# Altium PCB SmartHaloFF.PcbDoc (part 1 of 4)
Units mm, origin at the board's own origin, x right, y up, seen from the top; angles counter-clockwise.
Board outline 76.77 x 65.15 mm, 4 copper layers (Top Layer, Ground Plane, Power Plane, Bottom Layer), stack 1.516 mm thick; 370 components, 183 nets, 935 pads, 579 vias.
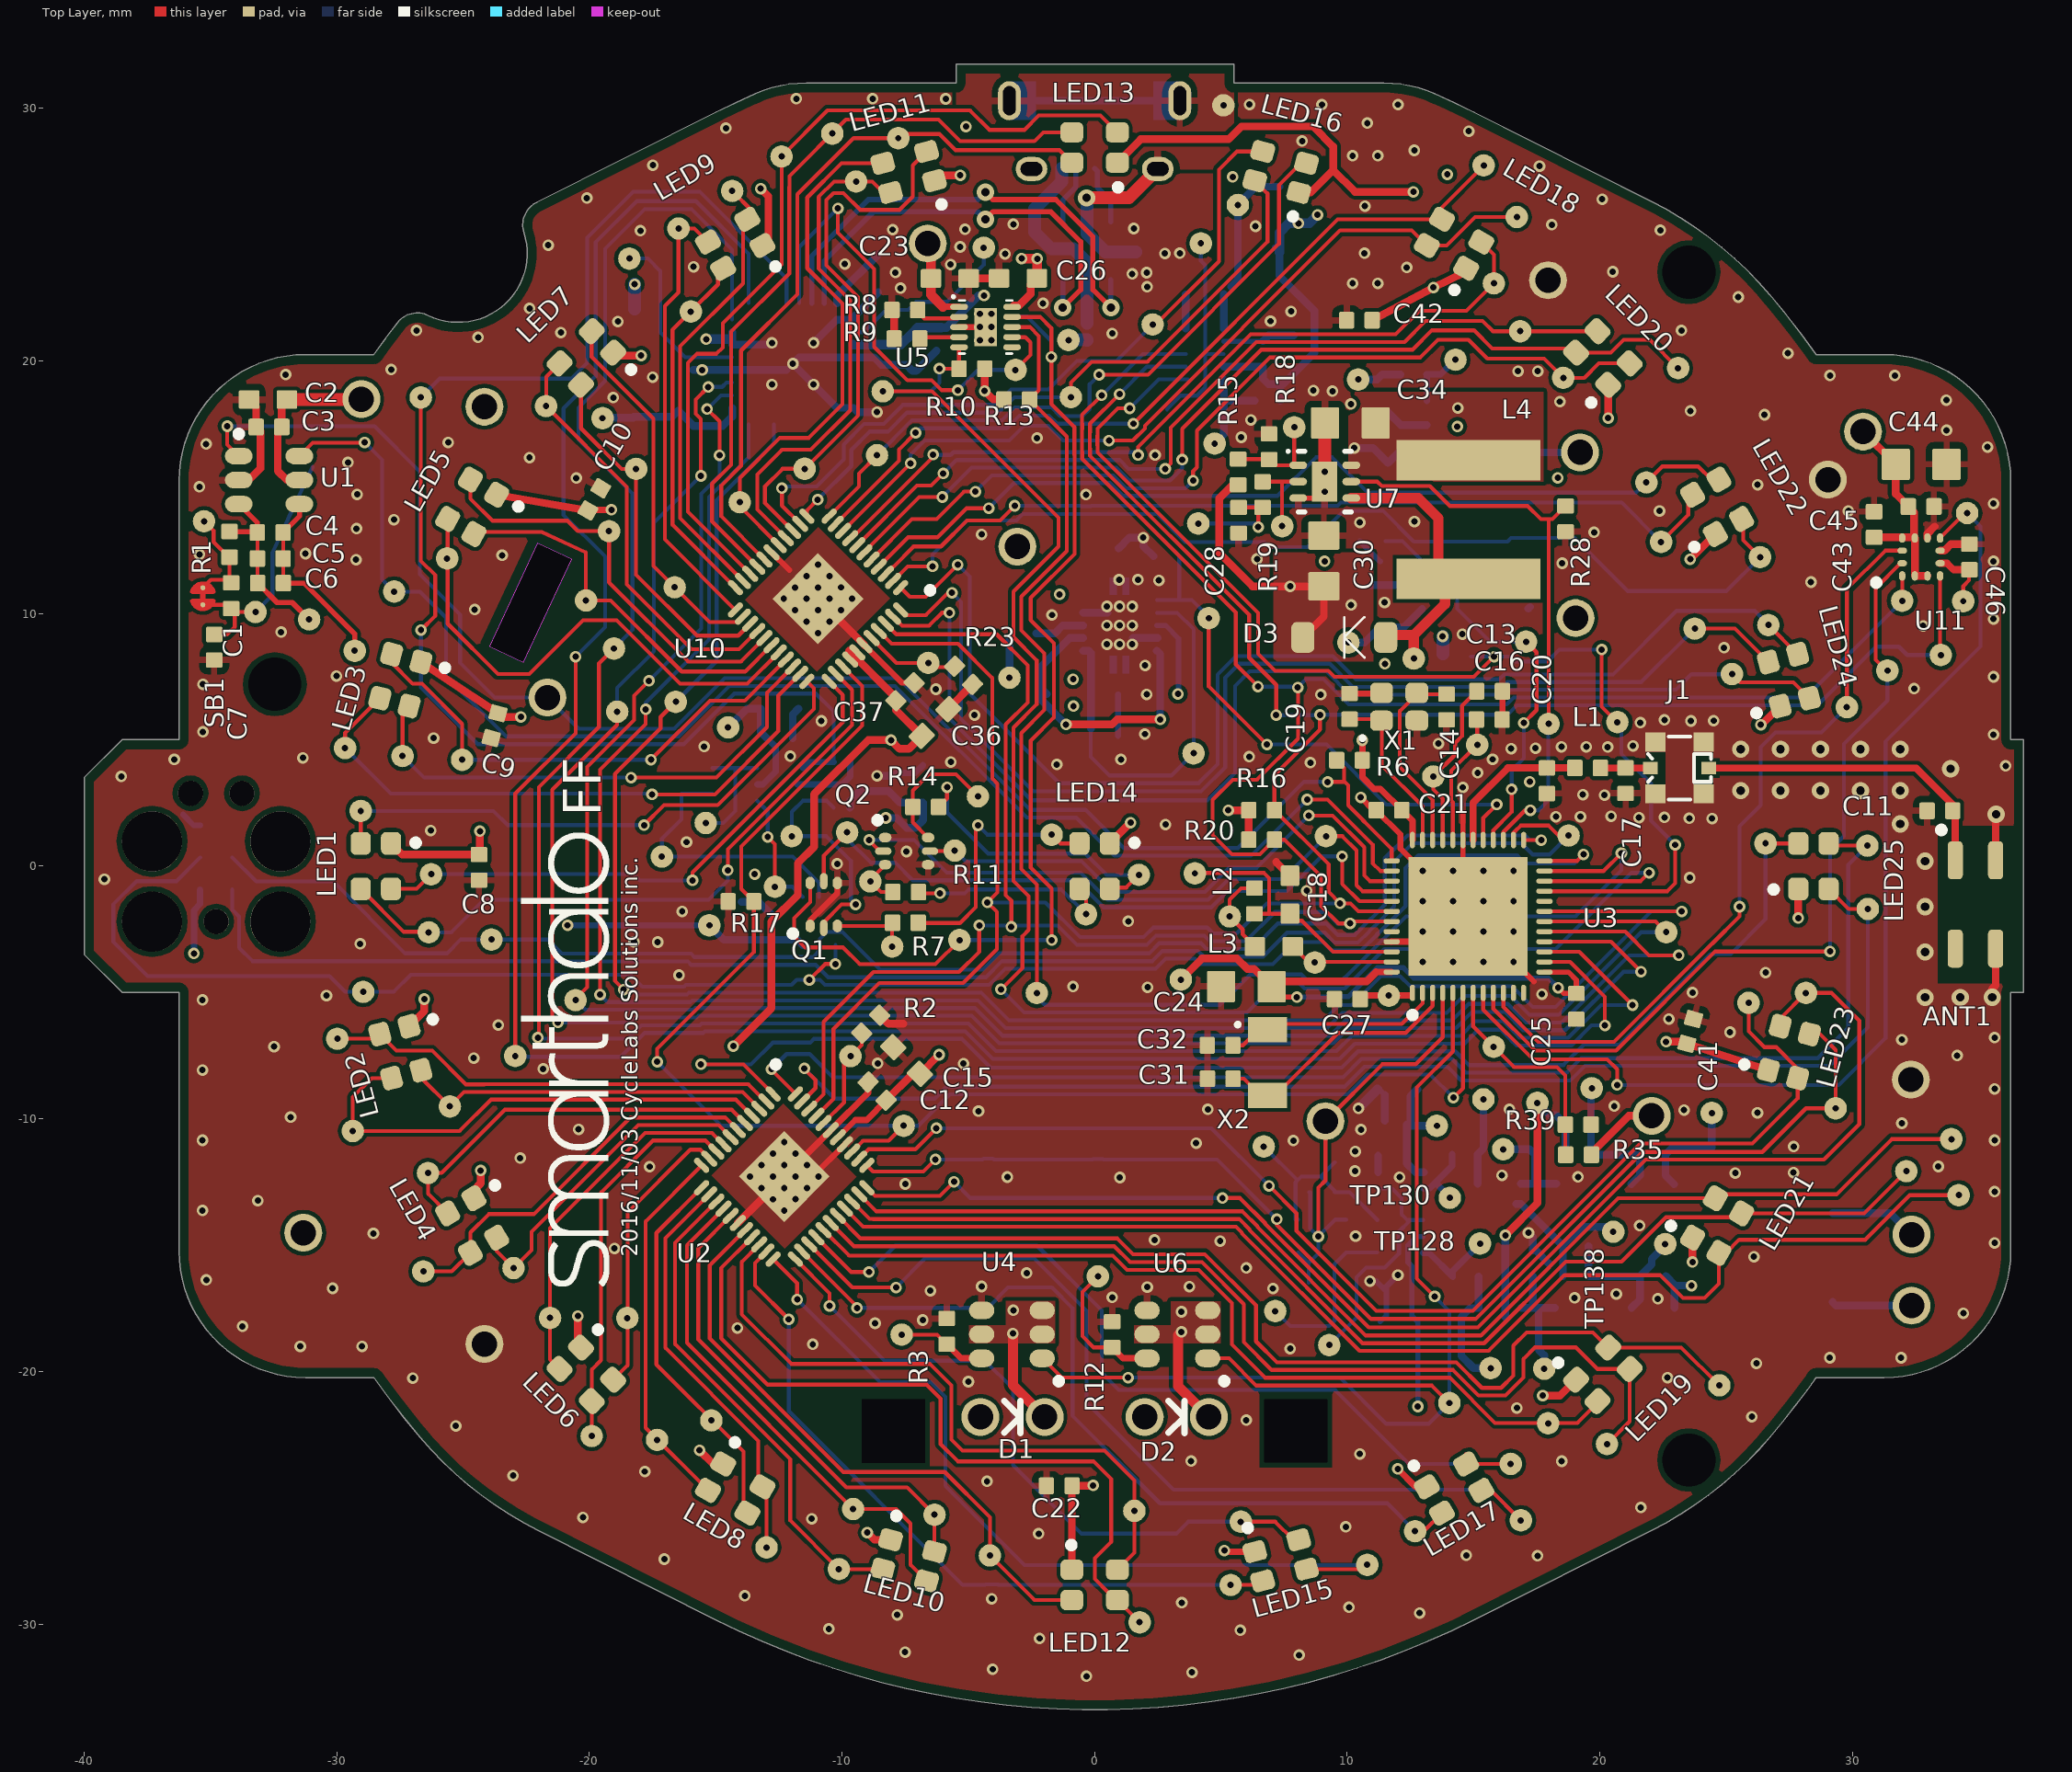
[diagram p0: Top Layer view]
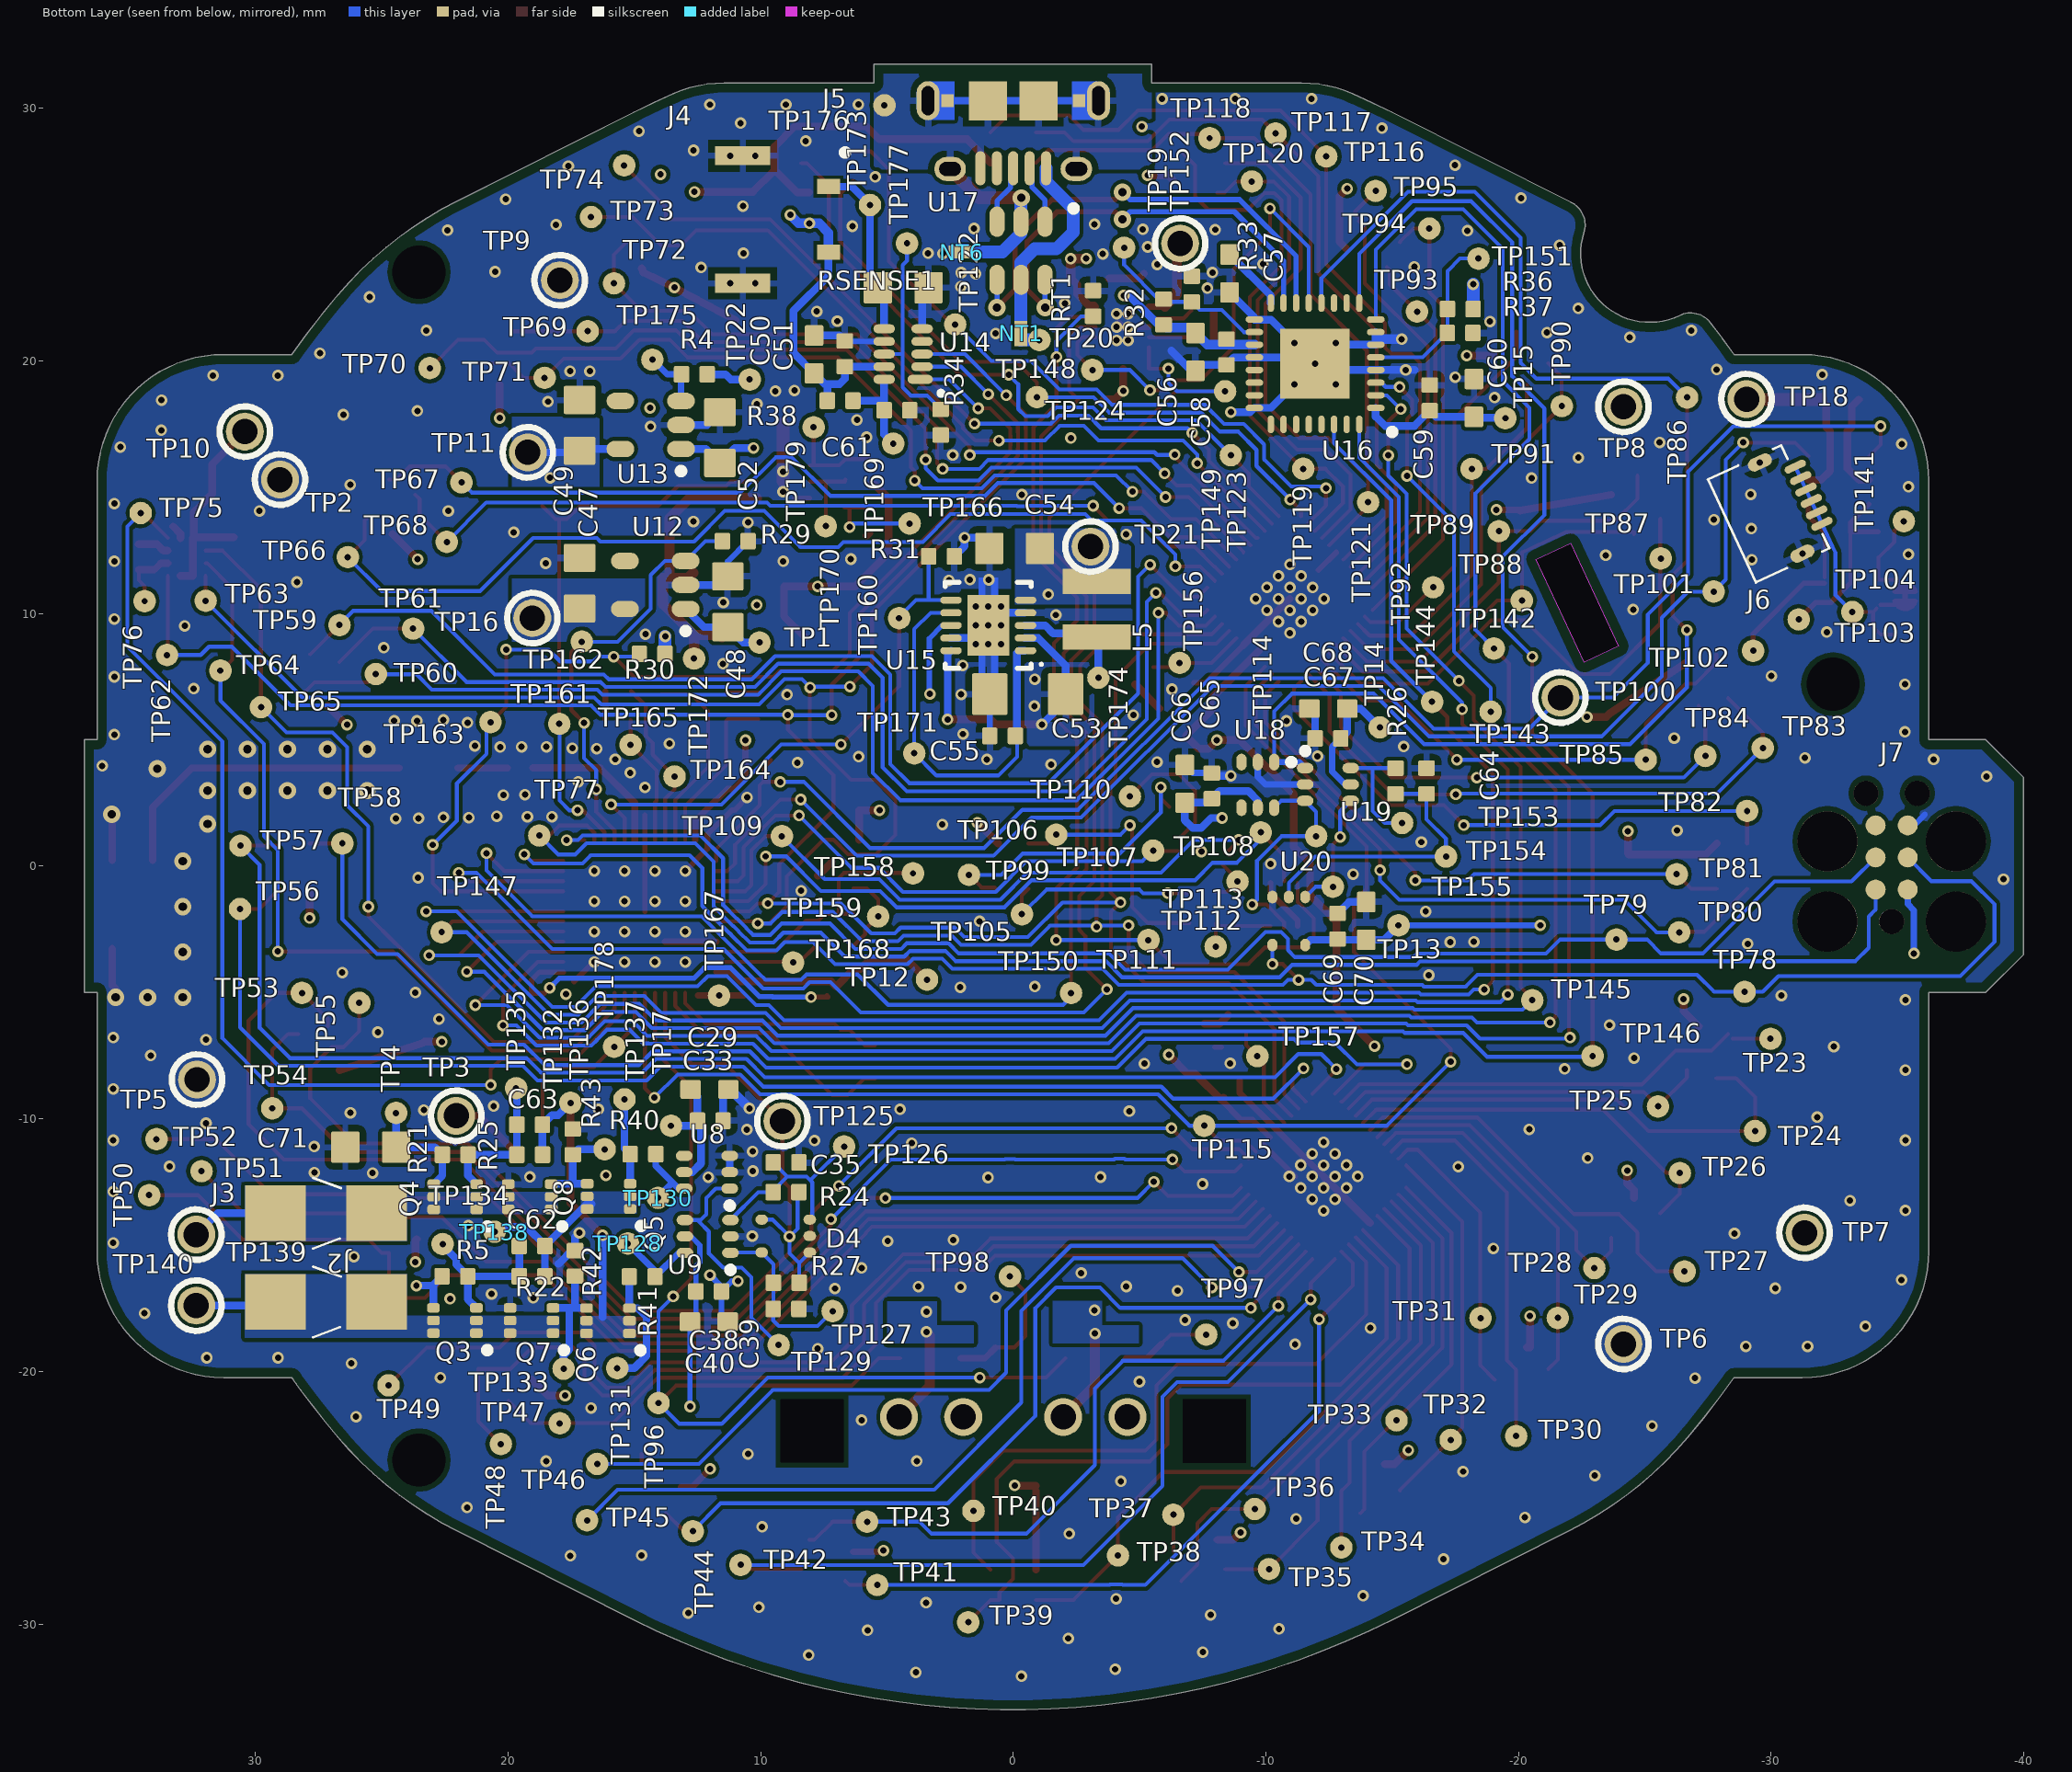
[diagram p1: Bottom Layer view, seen from below]
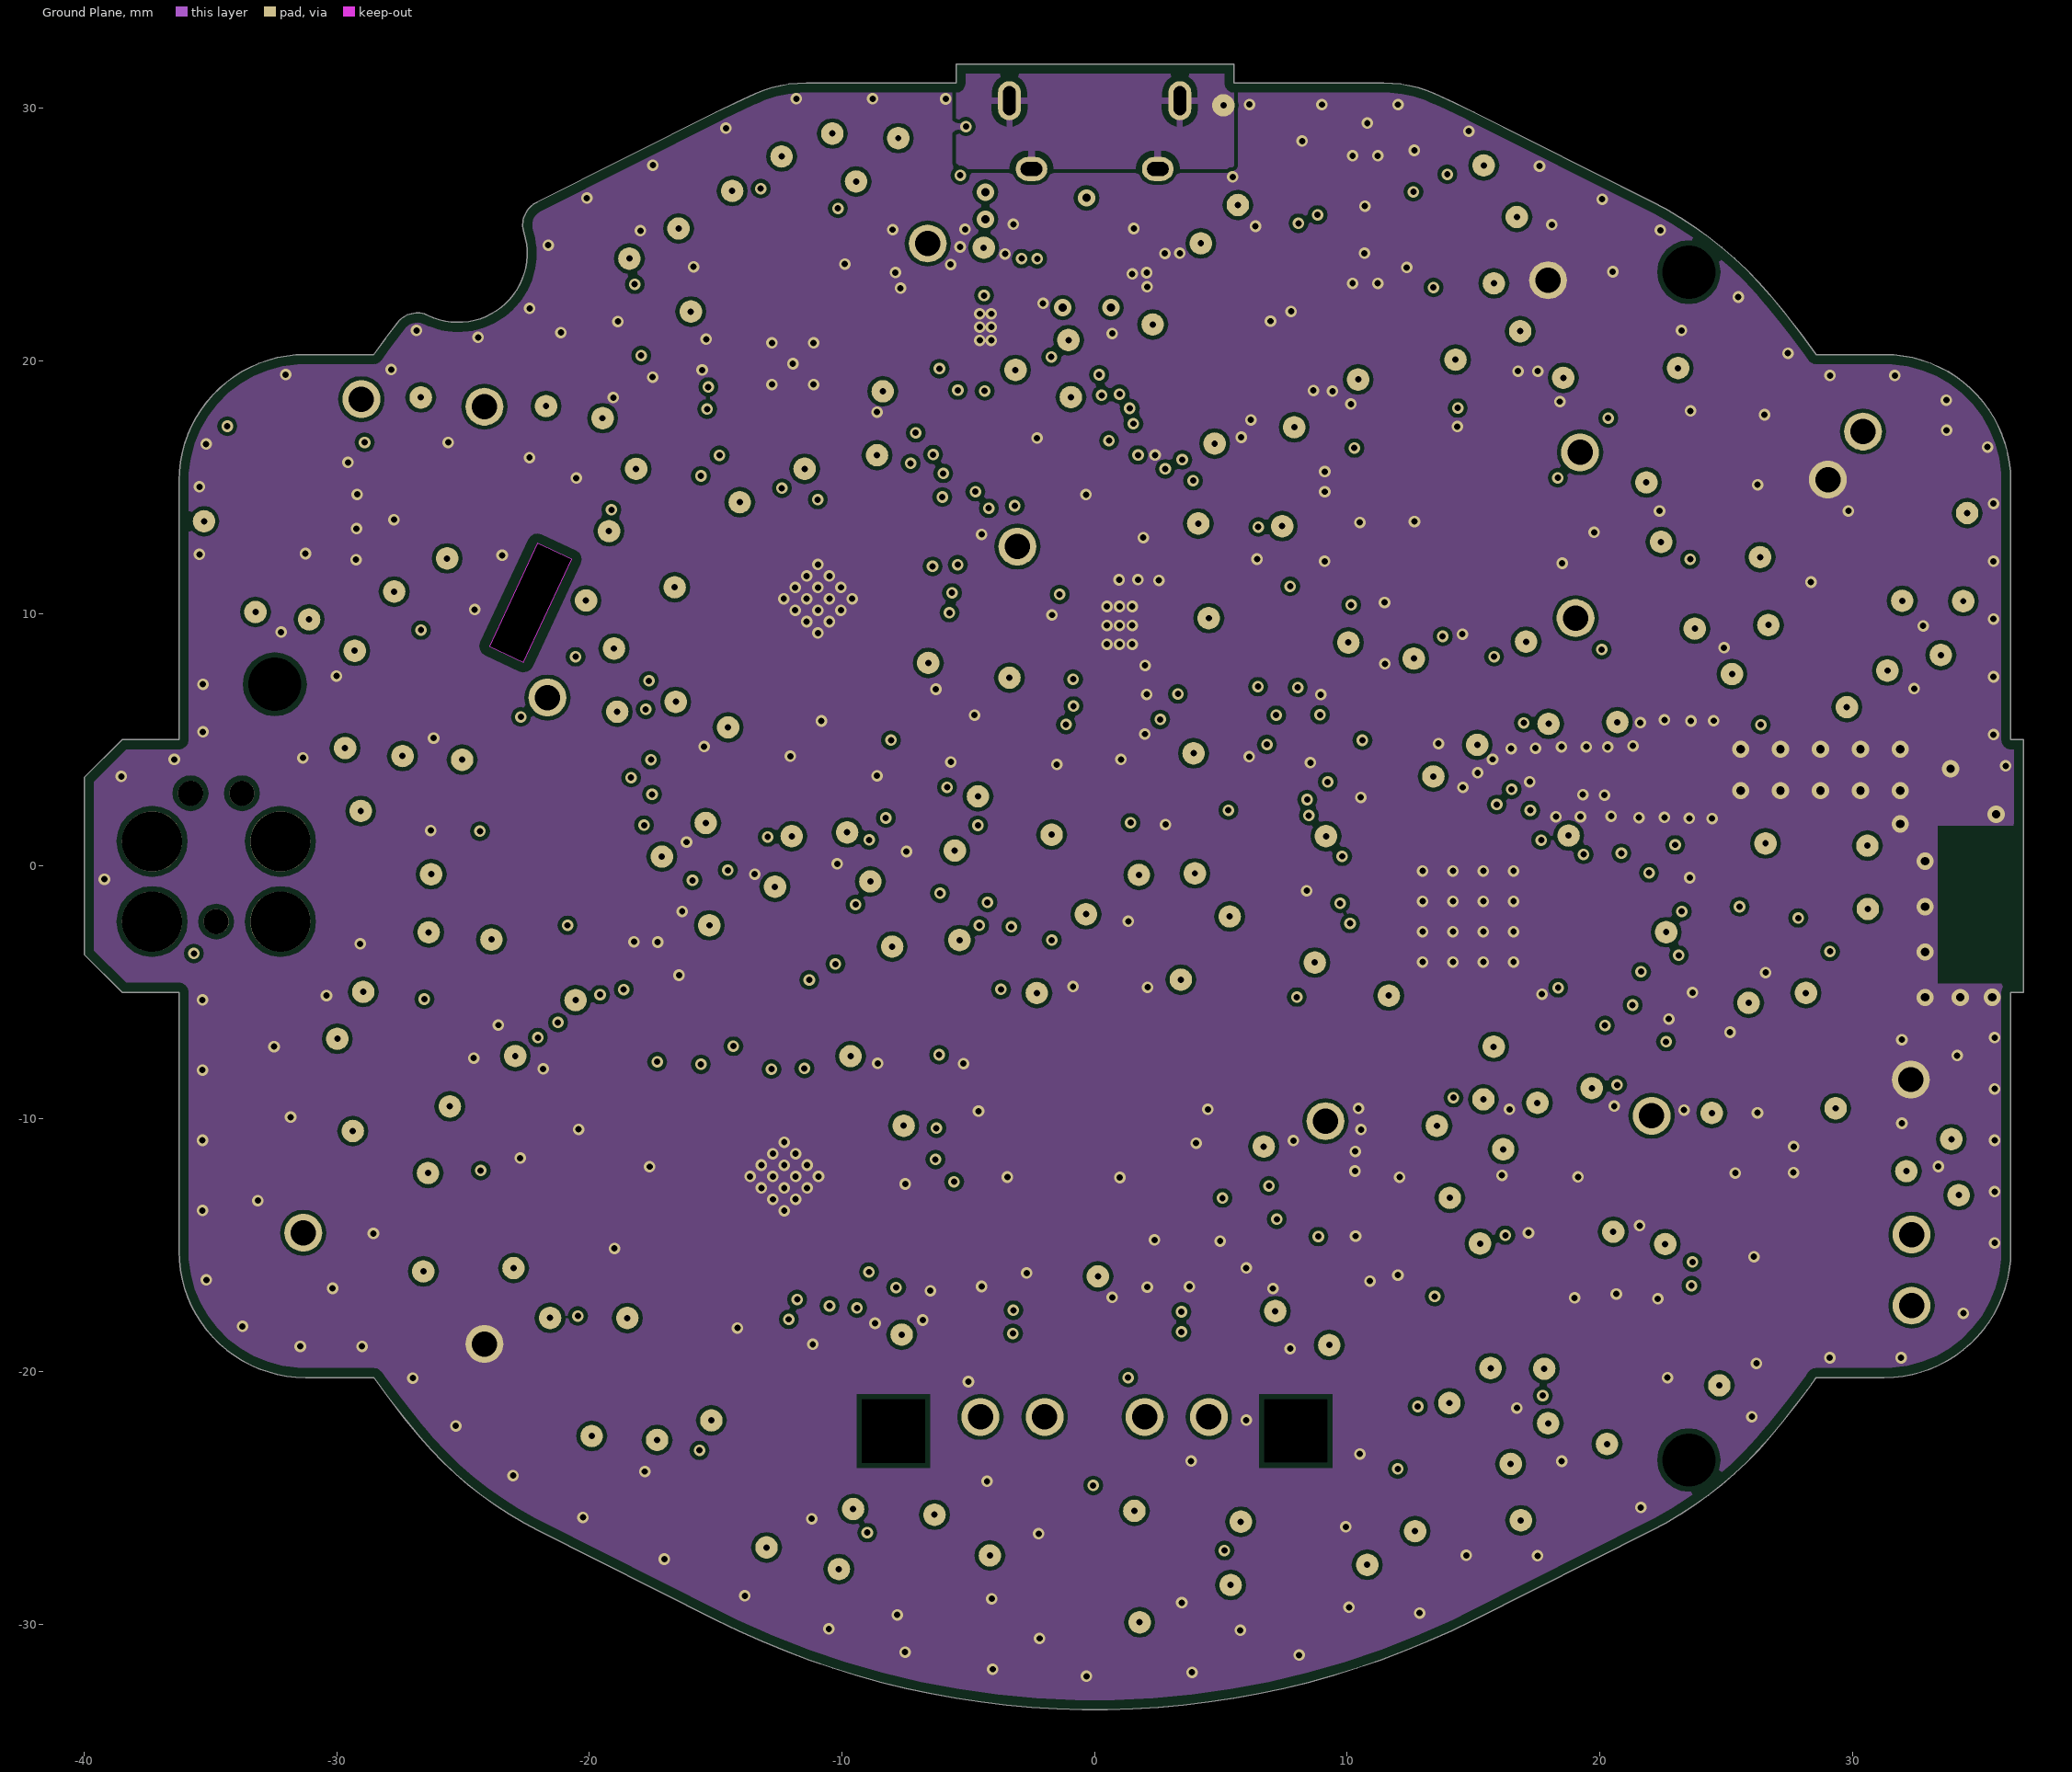
[diagram p2: Ground Plane]